# KiCad board RV523_CellTestBoard.final.kicad_pcb
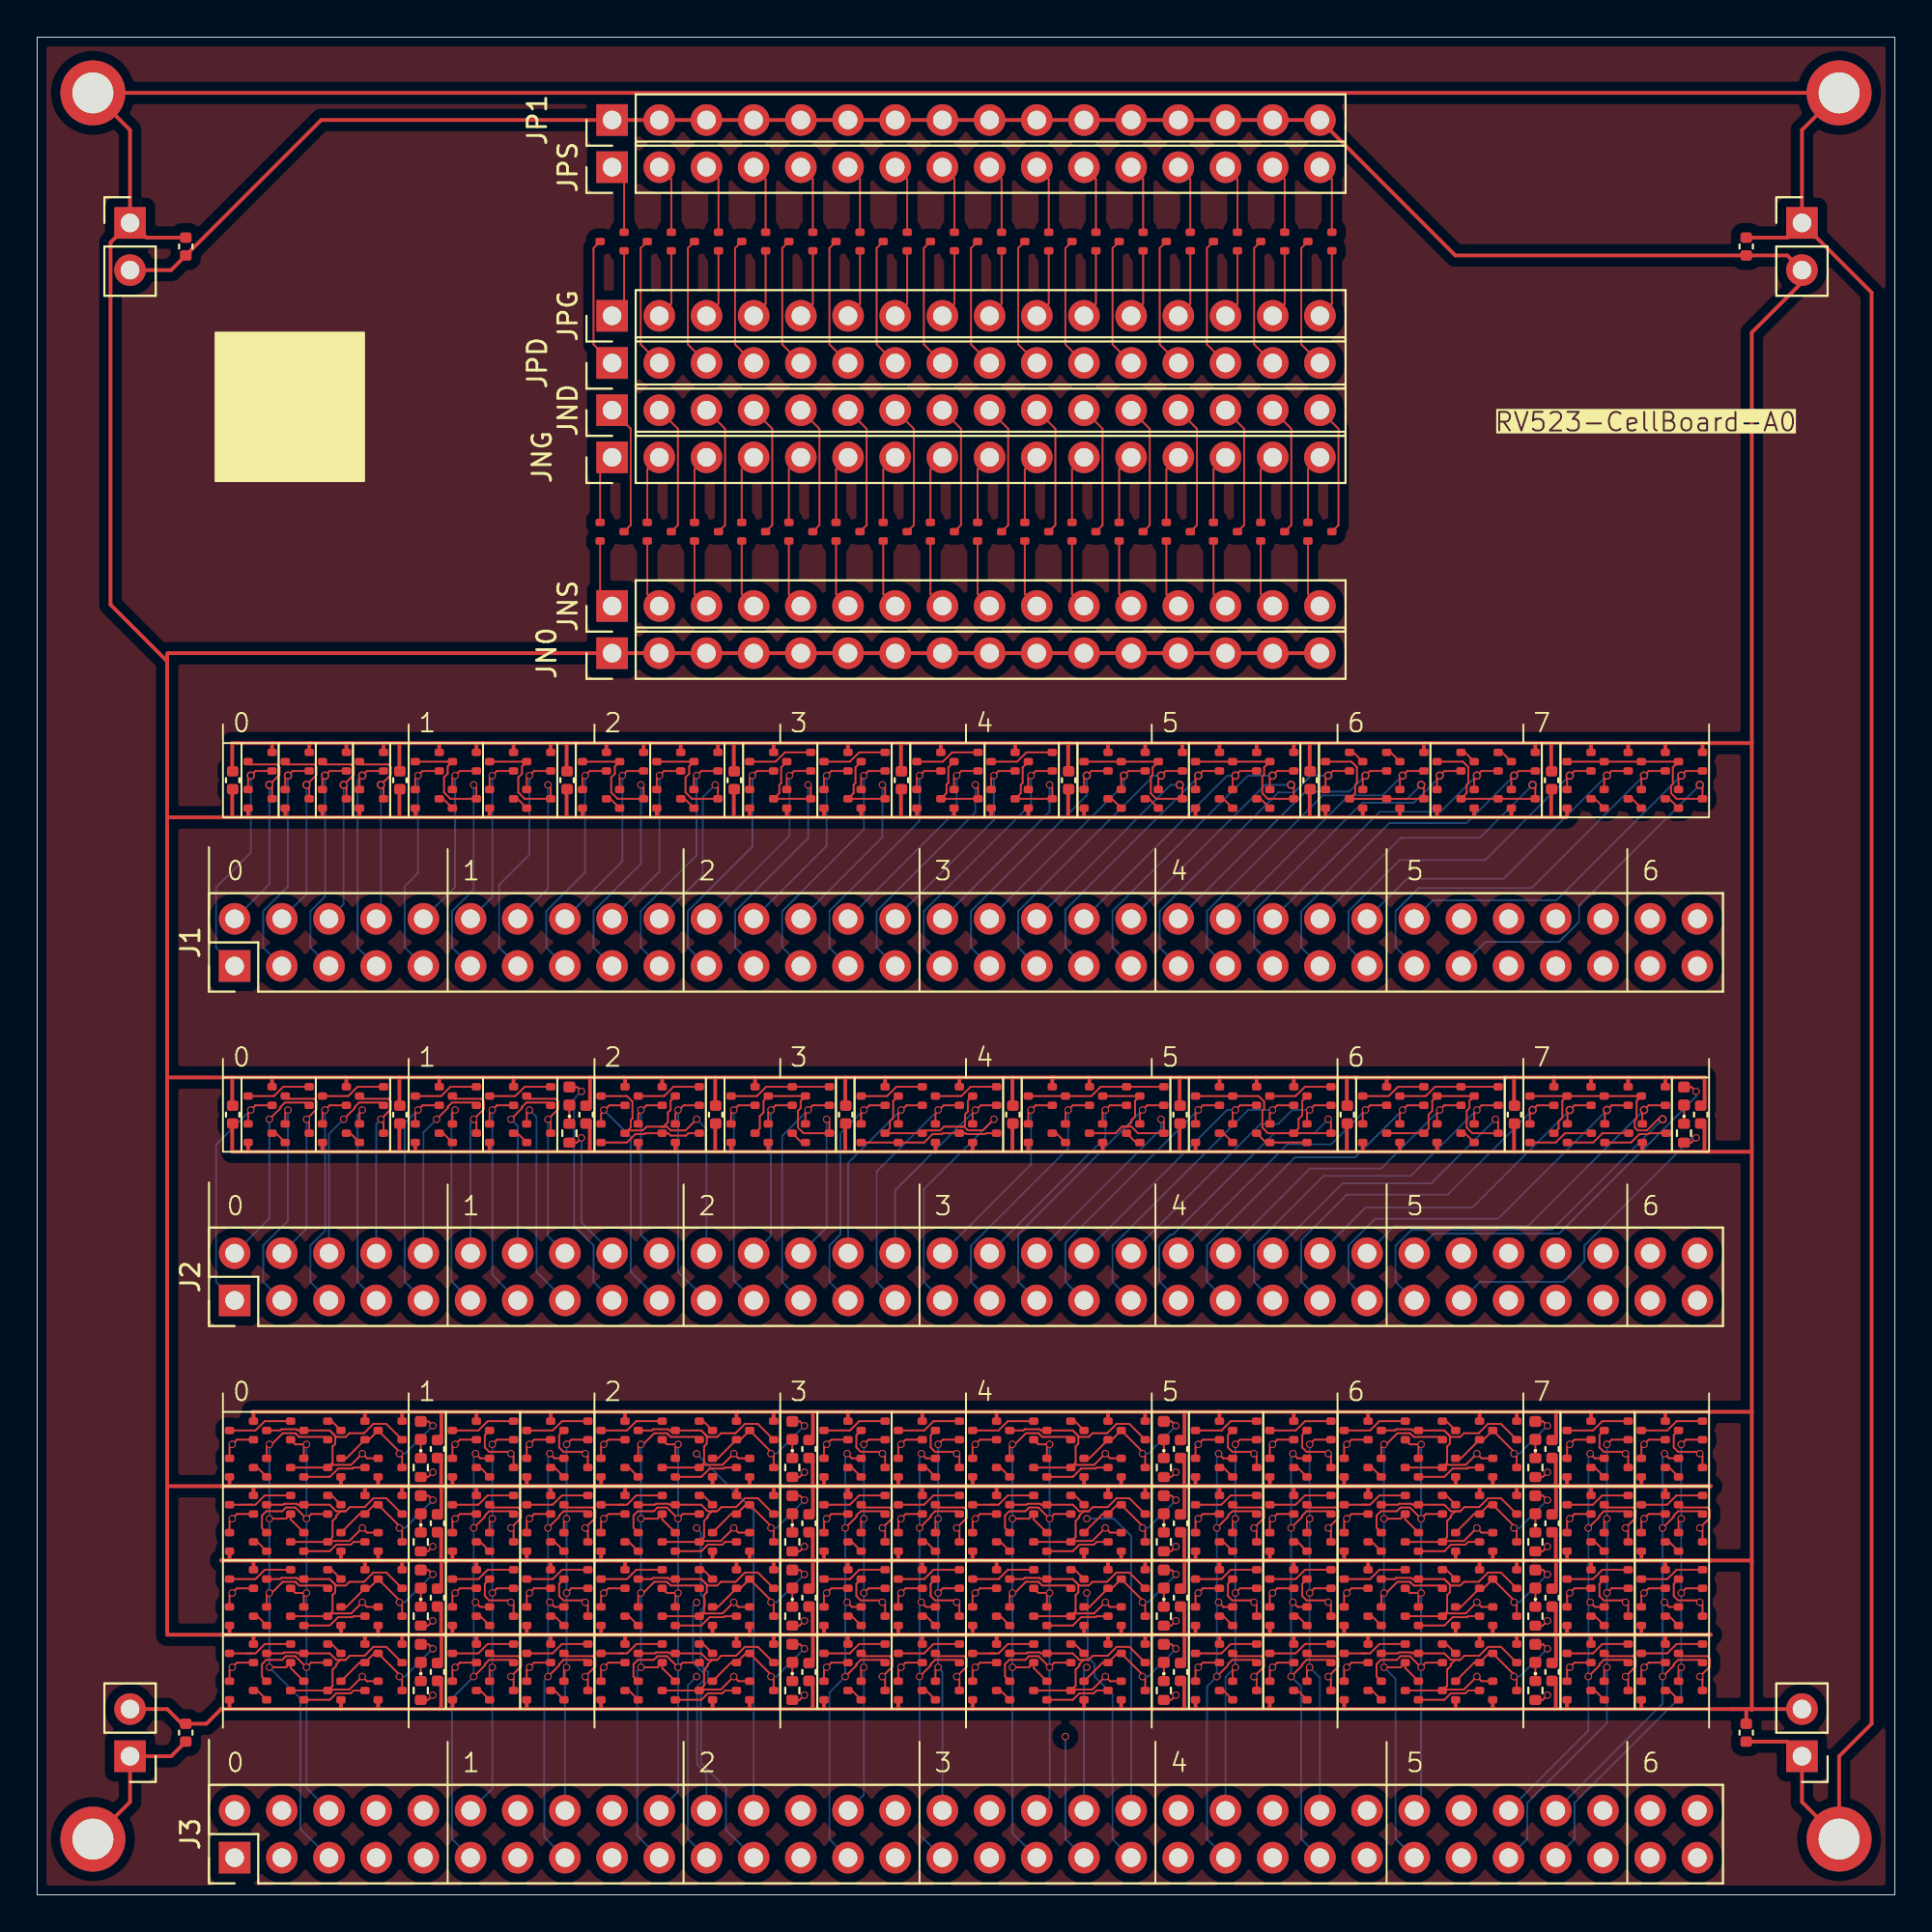
[diagram p0: board, top side]
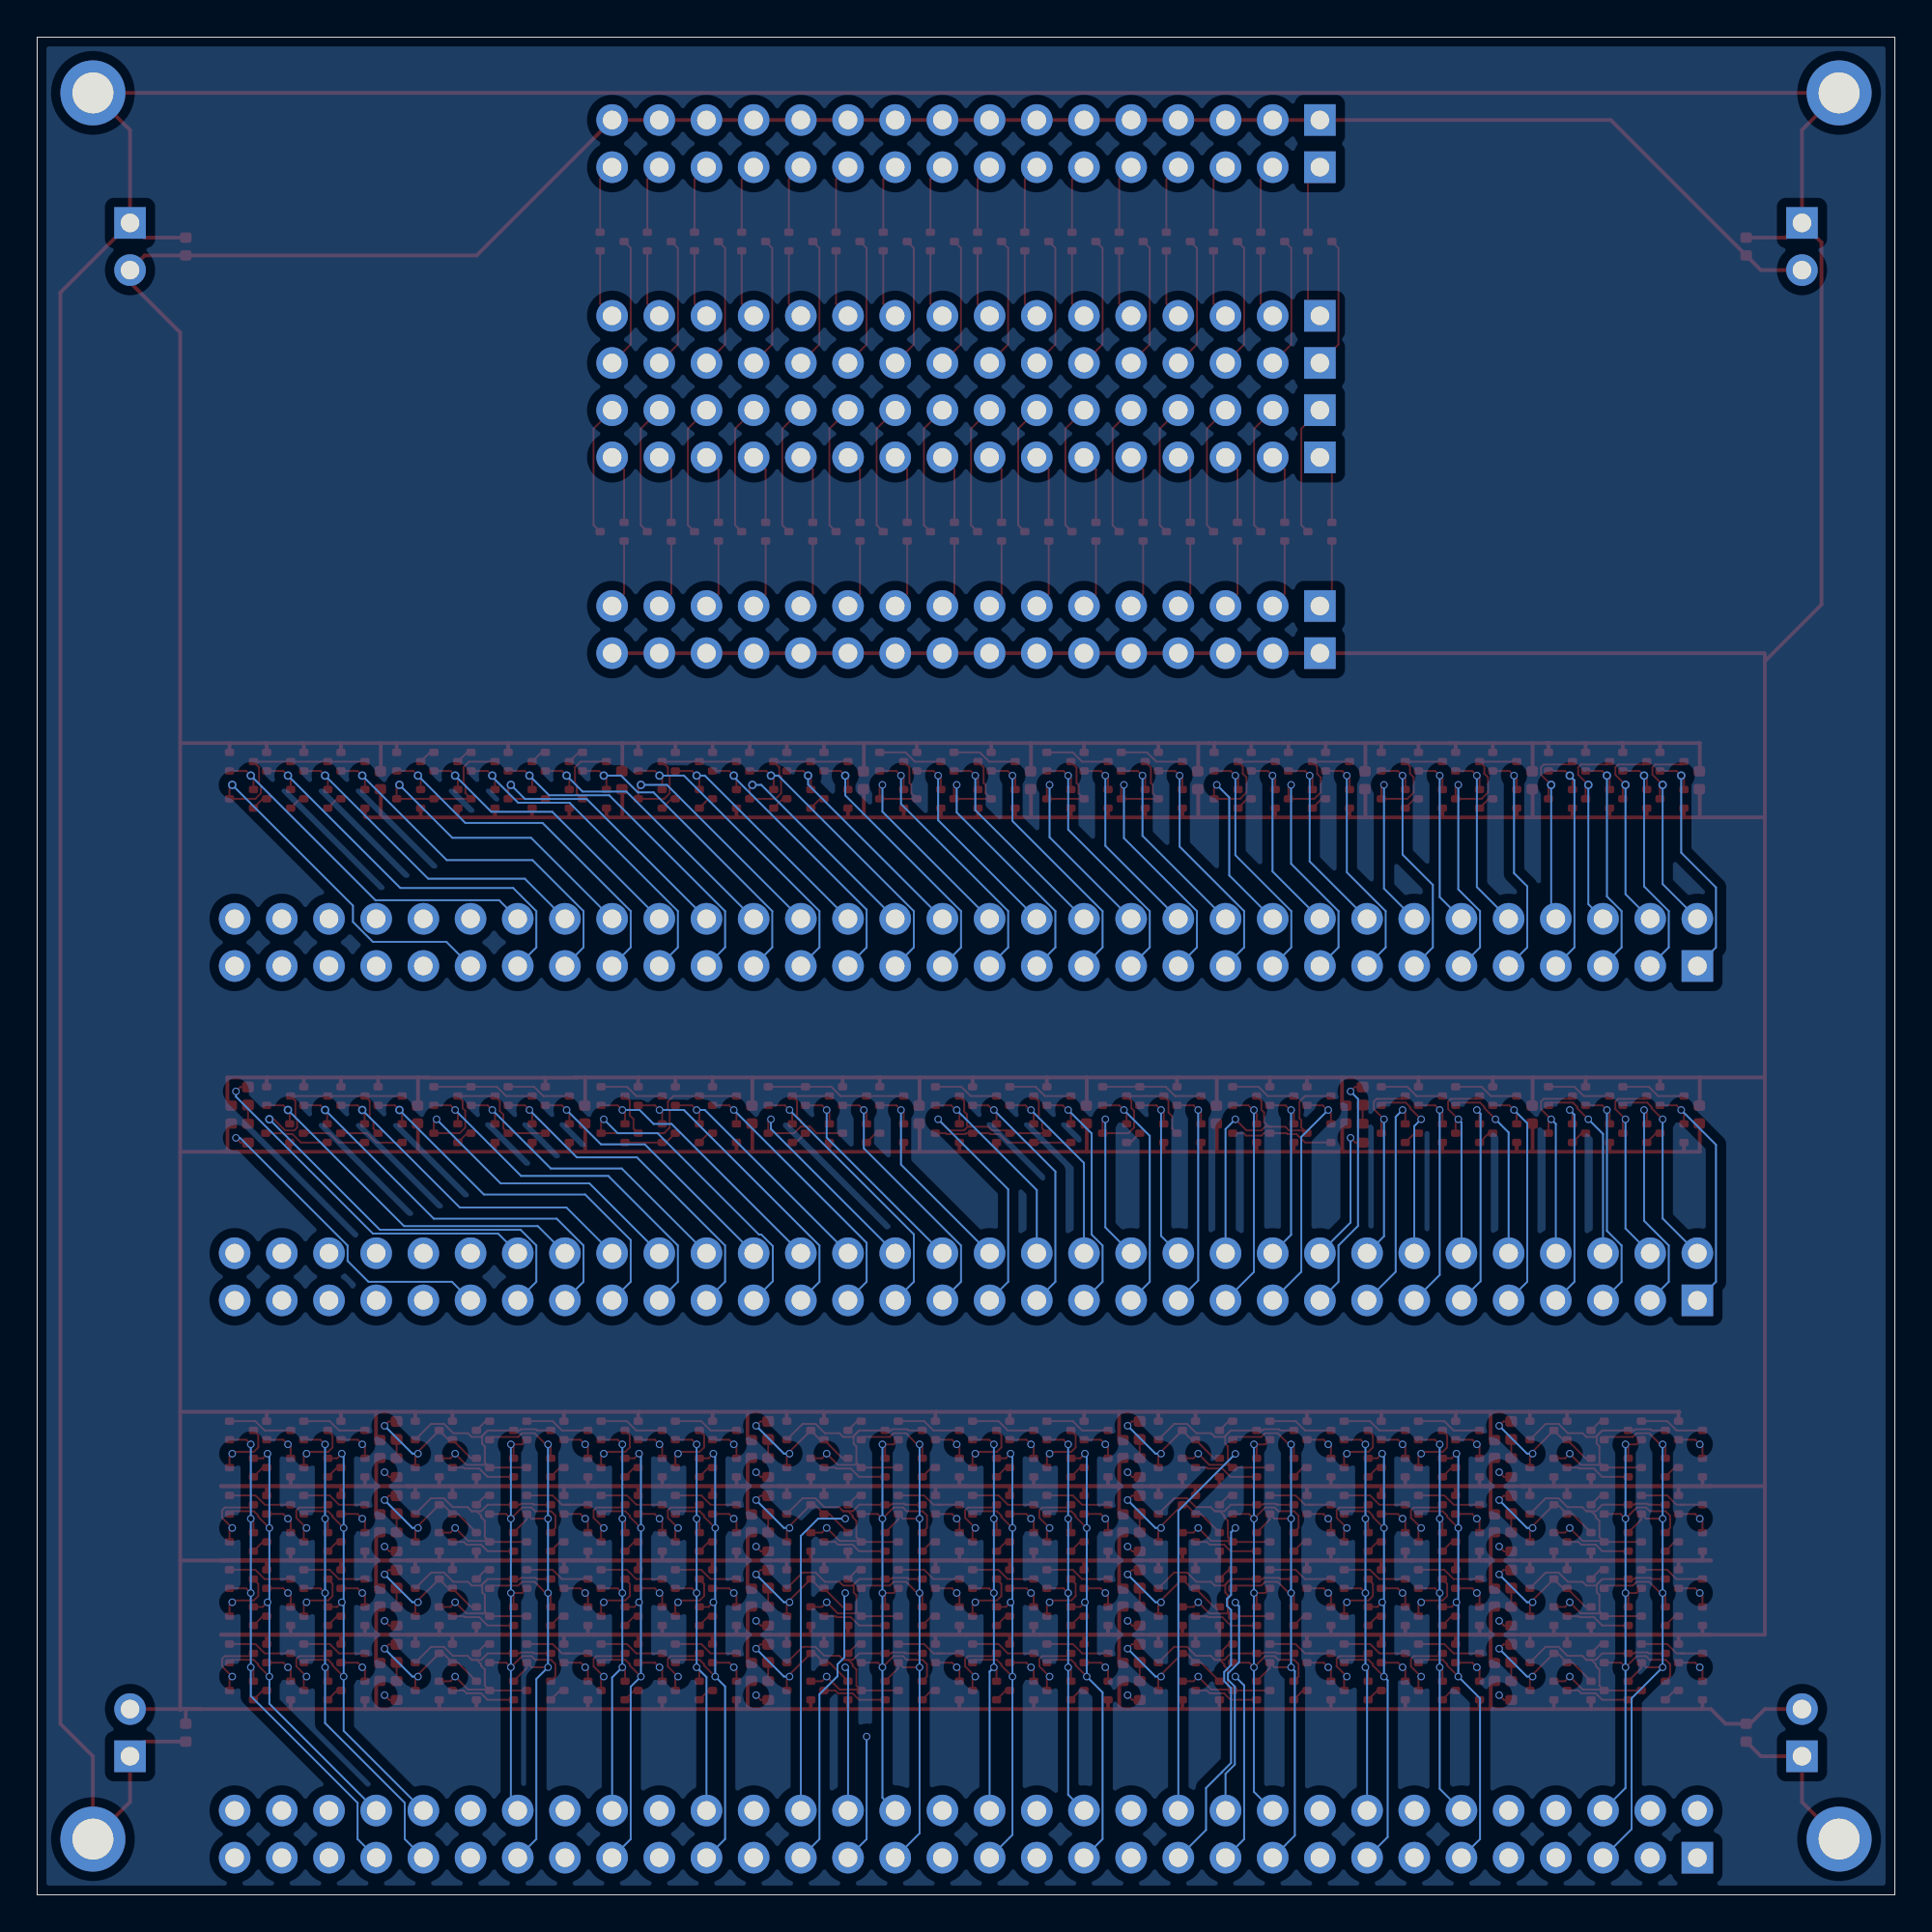
[diagram p1: board, bottom side, seen from below]

Outline 100 x 100 mm; copper layers: Top, In1.Cu, In2.Cu, Bottom. Coordinates in mm from the lower left corner of the outline.
Outline path: rectangle 0,100 100,0
Stack: Top 0.035mm / dielectric 0.1mm FR4 er 4.5 / In1.Cu 0.035mm / dielectric 1.24mm FR4 er 4.5 / In2.Cu 0.035mm / dielectric 0.1mm FR4 er 4.5 / Bottom 0.035mm

## Placement (name value [footprint] x y rotation side)
AOI21_1.N1  NMOS  [SOT523]  31 43 180 top
AOI21_1.N2  NMOS  [SOT523]  33 43 180 top
AOI21_1.N3  NMOS  [SOT523]  35 43 180 top
AOI21_1.P1  PMOS  [SOT523]  31 41 0 top
AOI21_1.P2  PMOS  [SOT523]  33 41 0 top
AOI21_1.P3  PMOS  [SOT523]  35 41 0 top
AOI22_1.N1  NMOS  [SOT523]  45 43 180 top
AOI22_1.N2  NMOS  [SOT523]  47 43 180 top
AOI22_1.N3  NMOS  [SOT523]  49 43 180 top
AOI22_1.N4  NMOS  [SOT523]  51 43 180 top
AOI22_1.P1  PMOS  [SOT523]  45 41 0 top
AOI22_1.P2  PMOS  [SOT523]  47 41 0 top
AOI22_1.P3  PMOS  [SOT523]  49 41 0 top
AOI22_1.P4  PMOS  [SOT523]  51 41 0 top
AOI211_1.N1  NMOS  [SOT523]  63 43 180 top
AOI211_1.N2  NMOS  [SOT523]  65 43 180 top
AOI211_1.N3  NMOS  [SOT523]  67 43 180 top
AOI211_1.N4  NMOS  [SOT523]  69 43 180 top
AOI211_1.P1  PMOS  [SOT523]  63 41 0 top
AOI211_1.P2  PMOS  [SOT523]  65 41 0 top
AOI211_1.P3  PMOS  [SOT523]  67 41 0 top
AOI211_1.P4  PMOS  [SOT523]  69 41 0 top
DECAP1  -  [C_0402_1005Metric]  8 88.73 90 top
DECAP2  -  [C_0402_1005Metric]  92 88.73 90 top
DECAP3  -  [C_0402_1005Metric]  8 8.73 270 top
DECAP4  -  [C_0402_1005Metric]  92 8.73 270 top
DECAP_1.C  0.1u  [C_0402_1005Metric]  10.53 60 90 top
DECAP_2.C  0.1u  [C_0402_1005Metric]  19.52 60 90 top
DECAP_3.C  0.1u  [C_0402_1005Metric]  28.52 60 90 top
DECAP_4.C  0.1u  [C_0402_1005Metric]  37.52 60 90 top
DECAP_5.C  0.1u  [C_0402_1005Metric]  46.52 60 90 top
DECAP_6.C  0.1u  [C_0402_1005Metric]  55.52 60 90 top
DECAP_7.C  0.1u  [C_0402_1005Metric]  68.53 60 90 top
DECAP_8.C  0.1u  [C_0402_1005Metric]  81.53 60 90 top
DECAP_10.C  0.1u  [C_0402_1005Metric]  10.53 42 270 top
DECAP_11.C  0.1u  [C_0402_1005Metric]  19.52 42 270 top
DECAP_13.C  0.1u  [C_0402_1005Metric]  36.52 42 270 top
DECAP_14.C  0.1u  [C_0402_1005Metric]  43.52 42 270 top
DECAP_15.C  0.1u  [C_0402_1005Metric]  52.52 42 270 top
DECAP_16.C  0.1u  [C_0402_1005Metric]  61.52 42 270 top
DECAP_17.C  0.1u  [C_0402_1005Metric]  70.53 42 270 top
DECAP_18.C  0.1u  [C_0402_1005Metric]  79.53 42 270 top
DECAP_LED_12.DECAP.C  0.1u  [C_0402_1005Metric]  29.55 42 90 top
DECAP_LED_12.L  -  [LED_0402_1005Metric]  28.65 43 90 top
DECAP_LED_12.R  330  [R_0402_1005Metric]  28.65 41 270 top
DECAP_LED_19.DECAP.C  0.1u  [C_0402_1005Metric]  89.55 42 90 top
DECAP_LED_19.L  -  [LED_0402_1005Metric]  88.65 43 90 top
DECAP_LED_19.R  330  [R_0402_1005Metric]  88.65 41 270 top
genblk1[1].N  NMOS  [SOT523]  30.95 73.38 0 top
genblk1[1].P  PMOS  [SOT523]  30.95 89 180 top
genblk1[2].N  NMOS  [SOT523]  33.49 73.38 0 top
genblk1[2].P  PMOS  [SOT523]  33.49 89 180 top
genblk1[3].N  NMOS  [SOT523]  36.03 73.38 0 top
genblk1[3].P  PMOS  [SOT523]  36.03 89 180 top
genblk1[4].N  NMOS  [SOT523]  38.57 73.38 0 top
genblk1[4].P  PMOS  [SOT523]  38.57 89 180 top
genblk1[5].N  NMOS  [SOT523]  41.11 73.38 0 top
genblk1[5].P  PMOS  [SOT523]  41.11 89 180 top
genblk1[6].N  NMOS  [SOT523]  43.65 73.38 0 top
genblk1[6].P  PMOS  [SOT523]  43.65 89 180 top
genblk1[7].N  NMOS  [SOT523]  46.19 73.38 0 top
genblk1[7].P  PMOS  [SOT523]  46.19 89 180 top
genblk1[8].N  NMOS  [SOT523]  48.73 73.38 0 top
genblk1[8].P  PMOS  [SOT523]  48.73 89 180 top
genblk1[9].N  NMOS  [SOT523]  51.27 73.38 0 top
genblk1[9].P  PMOS  [SOT523]  51.27 89 180 top
genblk1[10].N  NMOS  [SOT523]  53.81 73.38 0 top
genblk1[10].P  PMOS  [SOT523]  53.81 89 180 top
genblk1[11].N  NMOS  [SOT523]  56.35 73.38 0 top
genblk1[11].P  PMOS  [SOT523]  56.35 89 180 top
genblk1[12].N  NMOS  [SOT523]  58.89 73.38 0 top
genblk1[12].P  PMOS  [SOT523]  58.89 89 180 top
genblk1[13].N  NMOS  [SOT523]  61.43 73.38 0 top
genblk1[13].P  PMOS  [SOT523]  61.43 89 180 top
genblk1[14].N  NMOS  [SOT523]  63.97 73.38 0 top
genblk1[14].P  PMOS  [SOT523]  63.97 89 180 top
genblk1[15].N  NMOS  [SOT523]  66.51 73.38 0 top
genblk1[15].P  PMOS  [SOT523]  66.51 89 180 top
genblk1[16].N  NMOS  [SOT523]  69.05 73.38 0 top
genblk1[16].P  PMOS  [SOT523]  69.05 89 180 top
genblk2[0].genblk1[0].D.DECAP.C  0.1u  [C_0402_1005Metric]  21.55 24 90 top
genblk2[0].genblk1[0].D.L  -  [LED_0402_1005Metric]  20.65 25 90 top
genblk2[0].genblk1[0].D.R  330  [R_0402_1005Metric]  20.65 23 270 top
genblk2[0].genblk1[0].L.NOT1.N1  NMOS  [SOT523]  11 23 0 top
genblk2[0].genblk1[0].L.NOT1.N2  NMOS  [SOT523]  13 23 0 top
genblk2[0].genblk1[0].L.NOT1.P1  PMOS  [SOT523]  11 25 180 top
genblk2[0].genblk1[0].L.NOT1.P2  PMOS  [SOT523]  13 25 180 top
genblk2[0].genblk1[0].L.NOT2.N1  NMOS  [SOT523]  19 23 0 top
genblk2[0].genblk1[0].L.NOT2.P1  PMOS  [SOT523]  19 25 180 top
genblk2[0].genblk1[0].L.NOT3.N1  NMOS  [SOT523]  17 23 0 top
genblk2[0].genblk1[0].L.NOT3.N2  NMOS  [SOT523]  15 23 0 top
genblk2[0].genblk1[0].L.NOT3.P1  PMOS  [SOT523]  17 25 180 top
genblk2[0].genblk1[0].L.NOT3.P2  PMOS  [SOT523]  15 25 180 top
genblk2[0].genblk1[0].R1.N1  NMOS  [SOT523]  23 23 0 top
genblk2[0].genblk1[0].R1.N2  NMOS  [SOT523]  25 23 0 top
genblk2[0].genblk1[0].R1.P1  PMOS  [SOT523]  23 25 180 top
genblk2[0].genblk1[0].R1.P2  PMOS  [SOT523]  25 25 180 top
genblk2[0].genblk1[0].R2.N1  NMOS  [SOT523]  27 23 0 top
genblk2[0].genblk1[0].R2.N2  NMOS  [SOT523]  29 23 0 top
genblk2[0].genblk1[0].R2.P1  PMOS  [SOT523]  27 25 180 top
genblk2[0].genblk1[0].R2.P2  PMOS  [SOT523]  29 25 180 top
genblk2[0].genblk1[1].D.DECAP.C  0.1u  [C_0402_1005Metric]  21.55 20 90 top
genblk2[0].genblk1[1].D.L  -  [LED_0402_1005Metric]  20.65 21 90 top
genblk2[0].genblk1[1].D.R  330  [R_0402_1005Metric]  20.65 19 270 top
genblk2[0].genblk1[1].L.NOT1.N1  NMOS  [SOT523]  11 21 180 top
genblk2[0].genblk1[1].L.NOT1.N2  NMOS  [SOT523]  13 21 180 top
genblk2[0].genblk1[1].L.NOT1.P1  PMOS  [SOT523]  11 19 0 top
genblk2[0].genblk1[1].L.NOT1.P2  PMOS  [SOT523]  13 19 0 top
genblk2[0].genblk1[1].L.NOT2.N1  NMOS  [SOT523]  19 21 180 top
genblk2[0].genblk1[1].L.NOT2.P1  PMOS  [SOT523]  19 19 0 top
genblk2[0].genblk1[1].L.NOT3.N1  NMOS  [SOT523]  17 21 180 top
genblk2[0].genblk1[1].L.NOT3.N2  NMOS  [SOT523]  15 21 180 top
genblk2[0].genblk1[1].L.NOT3.P1  PMOS  [SOT523]  17 19 0 top
genblk2[0].genblk1[1].L.NOT3.P2  PMOS  [SOT523]  15 19 0 top
genblk2[0].genblk1[1].R1.N1  NMOS  [SOT523]  23 21 180 top
genblk2[0].genblk1[1].R1.N2  NMOS  [SOT523]  25 21 180 top
genblk2[0].genblk1[1].R1.P1  PMOS  [SOT523]  23 19 0 top
genblk2[0].genblk1[1].R1.P2  PMOS  [SOT523]  25 19 0 top
genblk2[0].genblk1[1].R2.N1  NMOS  [SOT523]  27 21 180 top
genblk2[0].genblk1[1].R2.N2  NMOS  [SOT523]  29 21 180 top
genblk2[0].genblk1[1].R2.P1  PMOS  [SOT523]  27 19 0 top
genblk2[0].genblk1[1].R2.P2  PMOS  [SOT523]  29 19 0 top
genblk2[0].genblk1[2].D.DECAP.C  0.1u  [C_0402_1005Metric]  21.55 16 90 top
genblk2[0].genblk1[2].D.L  -  [LED_0402_1005Metric]  20.65 17 90 top
genblk2[0].genblk1[2].D.R  330  [R_0402_1005Metric]  20.65 15 270 top
genblk2[0].genblk1[2].L.NOT1.N1  NMOS  [SOT523]  11 15 0 top
genblk2[0].genblk1[2].L.NOT1.N2  NMOS  [SOT523]  13 15 0 top
genblk2[0].genblk1[2].L.NOT1.P1  PMOS  [SOT523]  11 17 180 top
genblk2[0].genblk1[2].L.NOT1.P2  PMOS  [SOT523]  13 17 180 top
genblk2[0].genblk1[2].L.NOT2.N1  NMOS  [SOT523]  19 15 0 top
genblk2[0].genblk1[2].L.NOT2.P1  PMOS  [SOT523]  19 17 180 top
genblk2[0].genblk1[2].L.NOT3.N1  NMOS  [SOT523]  17 15 0 top
genblk2[0].genblk1[2].L.NOT3.N2  NMOS  [SOT523]  15 15 0 top
genblk2[0].genblk1[2].L.NOT3.P1  PMOS  [SOT523]  17 17 180 top
genblk2[0].genblk1[2].L.NOT3.P2  PMOS  [SOT523]  15 17 180 top
genblk2[0].genblk1[2].R1.N1  NMOS  [SOT523]  23 15 0 top
genblk2[0].genblk1[2].R1.N2  NMOS  [SOT523]  25 15 0 top
genblk2[0].genblk1[2].R1.P1  PMOS  [SOT523]  23 17 180 top
genblk2[0].genblk1[2].R1.P2  PMOS  [SOT523]  25 17 180 top
genblk2[0].genblk1[2].R2.N1  NMOS  [SOT523]  27 15 0 top
genblk2[0].genblk1[2].R2.N2  NMOS  [SOT523]  29 15 0 top
genblk2[0].genblk1[2].R2.P1  PMOS  [SOT523]  27 17 180 top
genblk2[0].genblk1[2].R2.P2  PMOS  [SOT523]  29 17 180 top
genblk2[0].genblk1[3].D.DECAP.C  0.1u  [C_0402_1005Metric]  21.55 12 90 top
genblk2[0].genblk1[3].D.L  -  [LED_0402_1005Metric]  20.65 13 90 top
genblk2[0].genblk1[3].D.R  330  [R_0402_1005Metric]  20.65 11 270 top
genblk2[0].genblk1[3].L.NOT1.N1  NMOS  [SOT523]  11 13 180 top
genblk2[0].genblk1[3].L.NOT1.N2  NMOS  [SOT523]  13 13 180 top
genblk2[0].genblk1[3].L.NOT1.P1  PMOS  [SOT523]  11 11 0 top
genblk2[0].genblk1[3].L.NOT1.P2  PMOS  [SOT523]  13 11 0 top
genblk2[0].genblk1[3].L.NOT2.N1  NMOS  [SOT523]  19 13 180 top
genblk2[0].genblk1[3].L.NOT2.P1  PMOS  [SOT523]  19 11 0 top
genblk2[0].genblk1[3].L.NOT3.N1  NMOS  [SOT523]  17 13 180 top
genblk2[0].genblk1[3].L.NOT3.N2  NMOS  [SOT523]  15 13 180 top
genblk2[0].genblk1[3].L.NOT3.P1  PMOS  [SOT523]  17 11 0 top
genblk2[0].genblk1[3].L.NOT3.P2  PMOS  [SOT523]  15 11 0 top
genblk2[0].genblk1[3].R1.N1  NMOS  [SOT523]  23 13 180 top
genblk2[0].genblk1[3].R1.N2  NMOS  [SOT523]  25 13 180 top
genblk2[0].genblk1[3].R1.P1  PMOS  [SOT523]  23 11 0 top
genblk2[0].genblk1[3].R1.P2  PMOS  [SOT523]  25 11 0 top
genblk2[0].genblk1[3].R2.N1  NMOS  [SOT523]  27 13 180 top
genblk2[0].genblk1[3].R2.N2  NMOS  [SOT523]  29 13 180 top
genblk2[0].genblk1[3].R2.P1  PMOS  [SOT523]  27 11 0 top
genblk2[0].genblk1[3].R2.P2  PMOS  [SOT523]  29 11 0 top
genblk2[1].genblk1[0].D.DECAP.C  0.1u  [C_0402_1005Metric]  41.55 24 90 top
genblk2[1].genblk1[0].D.L  -  [LED_0402_1005Metric]  40.65 25 90 top
genblk2[1].genblk1[0].D.R  330  [R_0402_1005Metric]  40.65 23 270 top
genblk2[1].genblk1[0].L.NOT1.N1  NMOS  [SOT523]  31 23 0 top
genblk2[1].genblk1[0].L.NOT1.N2  NMOS  [SOT523]  33 23 0 top
genblk2[1].genblk1[0].L.NOT1.P1  PMOS  [SOT523]  31 25 180 top
genblk2[1].genblk1[0].L.NOT1.P2  PMOS  [SOT523]  33 25 180 top
genblk2[1].genblk1[0].L.NOT2.N1  NMOS  [SOT523]  39 23 0 top
genblk2[1].genblk1[0].L.NOT2.P1  PMOS  [SOT523]  39 25 180 top
genblk2[1].genblk1[0].L.NOT3.N1  NMOS  [SOT523]  37 23 0 top
genblk2[1].genblk1[0].L.NOT3.N2  NMOS  [SOT523]  35 23 0 top
genblk2[1].genblk1[0].L.NOT3.P1  PMOS  [SOT523]  37 25 180 top
genblk2[1].genblk1[0].L.NOT3.P2  PMOS  [SOT523]  35 25 180 top
genblk2[1].genblk1[0].R1.N1  NMOS  [SOT523]  43 23 0 top
genblk2[1].genblk1[0].R1.N2  NMOS  [SOT523]  45 23 0 top
genblk2[1].genblk1[0].R1.P1  PMOS  [SOT523]  43 25 180 top
genblk2[1].genblk1[0].R1.P2  PMOS  [SOT523]  45 25 180 top
genblk2[1].genblk1[0].R2.N1  NMOS  [SOT523]  47 23 0 top
genblk2[1].genblk1[0].R2.N2  NMOS  [SOT523]  49 23 0 top
genblk2[1].genblk1[0].R2.P1  PMOS  [SOT523]  47 25 180 top
genblk2[1].genblk1[0].R2.P2  PMOS  [SOT523]  49 25 180 top
genblk2[1].genblk1[1].D.DECAP.C  0.1u  [C_0402_1005Metric]  41.55 20 90 top
genblk2[1].genblk1[1].D.L  -  [LED_0402_1005Metric]  40.65 21 90 top
genblk2[1].genblk1[1].D.R  330  [R_0402_1005Metric]  40.65 19 270 top
genblk2[1].genblk1[1].L.NOT1.N1  NMOS  [SOT523]  31 21 180 top
genblk2[1].genblk1[1].L.NOT1.N2  NMOS  [SOT523]  33 21 180 top
genblk2[1].genblk1[1].L.NOT1.P1  PMOS  [SOT523]  31 19 0 top
genblk2[1].genblk1[1].L.NOT1.P2  PMOS  [SOT523]  33 19 0 top
genblk2[1].genblk1[1].L.NOT2.N1  NMOS  [SOT523]  39 21 180 top
genblk2[1].genblk1[1].L.NOT2.P1  PMOS  [SOT523]  39 19 0 top
genblk2[1].genblk1[1].L.NOT3.N1  NMOS  [SOT523]  37 21 180 top
genblk2[1].genblk1[1].L.NOT3.N2  NMOS  [SOT523]  35 21 180 top
genblk2[1].genblk1[1].L.NOT3.P1  PMOS  [SOT523]  37 19 0 top
genblk2[1].genblk1[1].L.NOT3.P2  PMOS  [SOT523]  35 19 0 top
genblk2[1].genblk1[1].R1.N1  NMOS  [SOT523]  43 21 180 top
genblk2[1].genblk1[1].R1.N2  NMOS  [SOT523]  45 21 180 top
genblk2[1].genblk1[1].R1.P1  PMOS  [SOT523]  43 19 0 top
genblk2[1].genblk1[1].R1.P2  PMOS  [SOT523]  45 19 0 top
genblk2[1].genblk1[1].R2.N1  NMOS  [SOT523]  47 21 180 top
genblk2[1].genblk1[1].R2.N2  NMOS  [SOT523]  49 21 180 top
genblk2[1].genblk1[1].R2.P1  PMOS  [SOT523]  47 19 0 top
genblk2[1].genblk1[1].R2.P2  PMOS  [SOT523]  49 19 0 top
genblk2[1].genblk1[2].D.DECAP.C  0.1u  [C_0402_1005Metric]  41.55 16 90 top
genblk2[1].genblk1[2].D.L  -  [LED_0402_1005Metric]  40.65 17 90 top
genblk2[1].genblk1[2].D.R  330  [R_0402_1005Metric]  40.65 15 270 top
genblk2[1].genblk1[2].L.NOT1.N1  NMOS  [SOT523]  31 15 0 top
genblk2[1].genblk1[2].L.NOT1.N2  NMOS  [SOT523]  33 15 0 top
genblk2[1].genblk1[2].L.NOT1.P1  PMOS  [SOT523]  31 17 180 top
genblk2[1].genblk1[2].L.NOT1.P2  PMOS  [SOT523]  33 17 180 top
genblk2[1].genblk1[2].L.NOT2.N1  NMOS  [SOT523]  39 15 0 top
genblk2[1].genblk1[2].L.NOT2.P1  PMOS  [SOT523]  39 17 180 top
genblk2[1].genblk1[2].L.NOT3.N1  NMOS  [SOT523]  37 15 0 top
genblk2[1].genblk1[2].L.NOT3.N2  NMOS  [SOT523]  35 15 0 top
genblk2[1].genblk1[2].L.NOT3.P1  PMOS  [SOT523]  37 17 180 top
genblk2[1].genblk1[2].L.NOT3.P2  PMOS  [SOT523]  35 17 180 top
genblk2[1].genblk1[2].R1.N1  NMOS  [SOT523]  43 15 0 top
genblk2[1].genblk1[2].R1.N2  NMOS  [SOT523]  45 15 0 top
genblk2[1].genblk1[2].R1.P1  PMOS  [SOT523]  43 17 180 top
genblk2[1].genblk1[2].R1.P2  PMOS  [SOT523]  45 17 180 top
genblk2[1].genblk1[2].R2.N1  NMOS  [SOT523]  47 15 0 top
genblk2[1].genblk1[2].R2.N2  NMOS  [SOT523]  49 15 0 top
genblk2[1].genblk1[2].R2.P1  PMOS  [SOT523]  47 17 180 top
genblk2[1].genblk1[2].R2.P2  PMOS  [SOT523]  49 17 180 top
genblk2[1].genblk1[3].D.DECAP.C  0.1u  [C_0402_1005Metric]  41.55 12 90 top
genblk2[1].genblk1[3].D.L  -  [LED_0402_1005Metric]  40.65 13 90 top
genblk2[1].genblk1[3].D.R  330  [R_0402_1005Metric]  40.65 11 270 top
genblk2[1].genblk1[3].L.NOT1.N1  NMOS  [SOT523]  31 13 180 top
genblk2[1].genblk1[3].L.NOT1.N2  NMOS  [SOT523]  33 13 180 top
genblk2[1].genblk1[3].L.NOT1.P1  PMOS  [SOT523]  31 11 0 top
genblk2[1].genblk1[3].L.NOT1.P2  PMOS  [SOT523]  33 11 0 top
genblk2[1].genblk1[3].L.NOT2.N1  NMOS  [SOT523]  39 13 180 top
genblk2[1].genblk1[3].L.NOT2.P1  PMOS  [SOT523]  39 11 0 top
genblk2[1].genblk1[3].L.NOT3.N1  NMOS  [SOT523]  37 13 180 top
genblk2[1].genblk1[3].L.NOT3.N2  NMOS  [SOT523]  35 13 180 top
genblk2[1].genblk1[3].L.NOT3.P1  PMOS  [SOT523]  37 11 0 top
genblk2[1].genblk1[3].L.NOT3.P2  PMOS  [SOT523]  35 11 0 top
genblk2[1].genblk1[3].R1.N1  NMOS  [SOT523]  43 13 180 top
genblk2[1].genblk1[3].R1.N2  NMOS  [SOT523]  45 13 180 top
genblk2[1].genblk1[3].R1.P1  PMOS  [SOT523]  43 11 0 top
genblk2[1].genblk1[3].R1.P2  PMOS  [SOT523]  45 11 0 top
genblk2[1].genblk1[3].R2.N1  NMOS  [SOT523]  47 13 180 top
genblk2[1].genblk1[3].R2.N2  NMOS  [SOT523]  49 13 180 top
genblk2[1].genblk1[3].R2.P1  PMOS  [SOT523]  47 11 0 top
genblk2[1].genblk1[3].R2.P2  PMOS  [SOT523]  49 11 0 top
genblk2[2].genblk1[0].D.DECAP.C  0.1u  [C_0402_1005Metric]  61.55 24 90 top
genblk2[2].genblk1[0].D.L  -  [LED_0402_1005Metric]  60.65 25 90 top
genblk2[2].genblk1[0].D.R  330  [R_0402_1005Metric]  60.65 23 270 top
genblk2[2].genblk1[0].L.NOT1.N1  NMOS  [SOT523]  51 23 0 top
genblk2[2].genblk1[0].L.NOT1.N2  NMOS  [SOT523]  53 23 0 top
genblk2[2].genblk1[0].L.NOT1.P1  PMOS  [SOT523]  51 25 180 top
genblk2[2].genblk1[0].L.NOT1.P2  PMOS  [SOT523]  53 25 180 top
genblk2[2].genblk1[0].L.NOT2.N1  NMOS  [SOT523]  59 23 0 top
genblk2[2].genblk1[0].L.NOT2.P1  PMOS  [SOT523]  59 25 180 top
genblk2[2].genblk1[0].L.NOT3.N1  NMOS  [SOT523]  57 23 0 top
genblk2[2].genblk1[0].L.NOT3.N2  NMOS  [SOT523]  55 23 0 top
genblk2[2].genblk1[0].L.NOT3.P1  PMOS  [SOT523]  57 25 180 top
genblk2[2].genblk1[0].L.NOT3.P2  PMOS  [SOT523]  55 25 180 top
genblk2[2].genblk1[0].R1.N1  NMOS  [SOT523]  63 23 0 top
genblk2[2].genblk1[0].R1.N2  NMOS  [SOT523]  65 23 0 top
genblk2[2].genblk1[0].R1.P1  PMOS  [SOT523]  63 25 180 top
genblk2[2].genblk1[0].R1.P2  PMOS  [SOT523]  65 25 180 top
genblk2[2].genblk1[0].R2.N1  NMOS  [SOT523]  67 23 0 top
genblk2[2].genblk1[0].R2.N2  NMOS  [SOT523]  69 23 0 top
genblk2[2].genblk1[0].R2.P1  PMOS  [SOT523]  67 25 180 top
genblk2[2].genblk1[0].R2.P2  PMOS  [SOT523]  69 25 180 top
genblk2[2].genblk1[1].D.DECAP.C  0.1u  [C_0402_1005Metric]  61.55 20 90 top
genblk2[2].genblk1[1].D.L  -  [LED_0402_1005Metric]  60.65 21 90 top
genblk2[2].genblk1[1].D.R  330  [R_0402_1005Metric]  60.65 19 270 top
genblk2[2].genblk1[1].L.NOT1.N1  NMOS  [SOT523]  51 21 180 top
genblk2[2].genblk1[1].L.NOT1.N2  NMOS  [SOT523]  53 21 180 top
genblk2[2].genblk1[1].L.NOT1.P1  PMOS  [SOT523]  51 19 0 top
genblk2[2].genblk1[1].L.NOT1.P2  PMOS  [SOT523]  53 19 0 top
genblk2[2].genblk1[1].L.NOT2.N1  NMOS  [SOT523]  59 21 180 top
genblk2[2].genblk1[1].L.NOT2.P1  PMOS  [SOT523]  59 19 0 top
genblk2[2].genblk1[1].L.NOT3.N1  NMOS  [SOT523]  57 21 180 top
genblk2[2].genblk1[1].L.NOT3.N2  NMOS  [SOT523]  55 21 180 top
genblk2[2].genblk1[1].L.NOT3.P1  PMOS  [SOT523]  57 19 0 top
genblk2[2].genblk1[1].L.NOT3.P2  PMOS  [SOT523]  55 19 0 top
genblk2[2].genblk1[1].R1.N1  NMOS  [SOT523]  63 21 180 top
genblk2[2].genblk1[1].R1.N2  NMOS  [SOT523]  65 21 180 top
genblk2[2].genblk1[1].R1.P1  PMOS  [SOT523]  63 19 0 top
genblk2[2].genblk1[1].R1.P2  PMOS  [SOT523]  65 19 0 top
genblk2[2].genblk1[1].R2.N1  NMOS  [SOT523]  67 21 180 top
genblk2[2].genblk1[1].R2.N2  NMOS  [SOT523]  69 21 180 top
genblk2[2].genblk1[1].R2.P1  PMOS  [SOT523]  67 19 0 top
genblk2[2].genblk1[1].R2.P2  PMOS  [SOT523]  69 19 0 top
genblk2[2].genblk1[2].D.DECAP.C  0.1u  [C_0402_1005Metric]  61.55 16 90 top
genblk2[2].genblk1[2].D.L  -  [LED_0402_1005Metric]  60.65 17 90 top
genblk2[2].genblk1[2].D.R  330  [R_0402_1005Metric]  60.65 15 270 top
genblk2[2].genblk1[2].L.NOT1.N1  NMOS  [SOT523]  51 15 0 top
genblk2[2].genblk1[2].L.NOT1.N2  NMOS  [SOT523]  53 15 0 top
genblk2[2].genblk1[2].L.NOT1.P1  PMOS  [SOT523]  51 17 180 top
genblk2[2].genblk1[2].L.NOT1.P2  PMOS  [SOT523]  53 17 180 top
genblk2[2].genblk1[2].L.NOT2.N1  NMOS  [SOT523]  59 15 0 top
genblk2[2].genblk1[2].L.NOT2.P1  PMOS  [SOT523]  59 17 180 top
genblk2[2].genblk1[2].L.NOT3.N1  NMOS  [SOT523]  57 15 0 top
genblk2[2].genblk1[2].L.NOT3.N2  NMOS  [SOT523]  55 15 0 top
genblk2[2].genblk1[2].L.NOT3.P1  PMOS  [SOT523]  57 17 180 top
genblk2[2].genblk1[2].L.NOT3.P2  PMOS  [SOT523]  55 17 180 top
genblk2[2].genblk1[2].R1.N1  NMOS  [SOT523]  63 15 0 top
genblk2[2].genblk1[2].R1.N2  NMOS  [SOT523]  65 15 0 top
genblk2[2].genblk1[2].R1.P1  PMOS  [SOT523]  63 17 180 top